# Altium PCB TimeDrive.PcbDoc (part 4 of 4)
Units mil, origin at the board's own origin, x right, y up, seen from the top; angles counter-clockwise.
Board outline 866.1 x 4330 mil, 10 copper layers (L01_SIG, L02_GND, L03_SIG, L04_GND, L05_PWR, L06_PWR, L07_GND, L08_SIG, L09_GND, L10_SIG), stack 29.74 mil thick; 308 components, 309 nets, 1055 pads, 605 vias.
Unrouted connection lines stored in the file: 13.
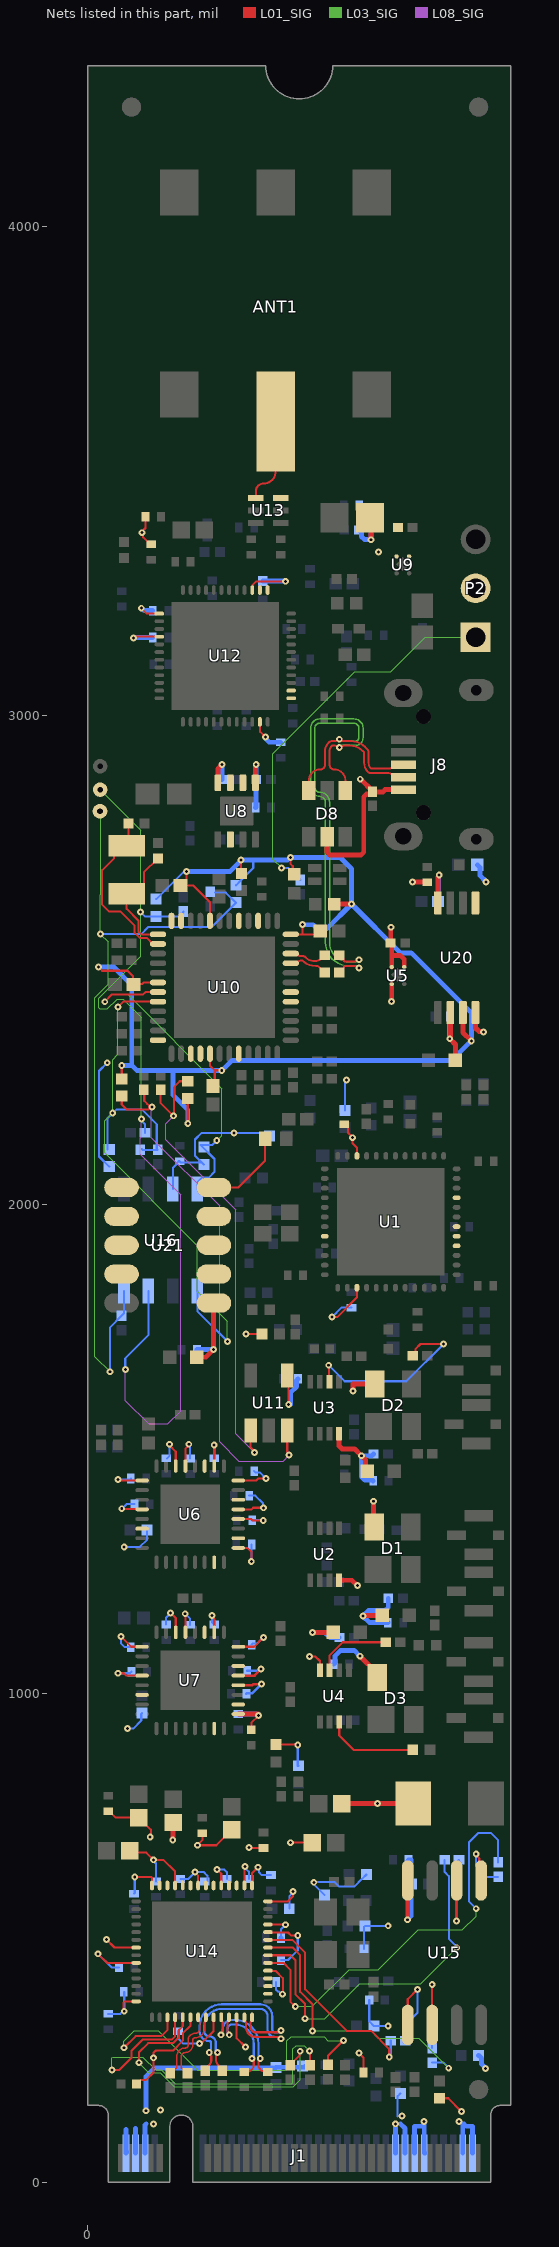
[diagram p12: the nets of this part, all layers, seen from the top]

## Via types
v1: diameter 14, hole 6, L01_SIG to L10_SIG, 458 vias
v2: diameter 19.68, hole 7.87, L01_SIG to L10_SIG, 103 vias
v3: diameter 23.62, hole 11.81, L01_SIG to L10_SIG, 25 vias
v4: diameter 14, hole 5.9, L01_SIG to L10_SIG, 19 vias

## Nets (pads, with @x,y where several pads share a name; then routed paths per layer and width w, separated by ;. In a path a pad name is that pad's centre, name@x,y a point inside that pad or via, vN(x,y) a via of type N, cw(c..) or ccw(c..) an arc to the next point about the centre after c; other vN are vias at no path point) (continued)
NetR110_1: R110.1 U14.34 | length 853.7
  L01_SIG w4.25: U14.34@369,449 401,449 415,435 415,370 v1(425,360)
  L03_SIG w2.2: v1(425,360) 460,360 535,435 595,435 676.58,516.58 766.58,516.58 795,545 v1(795,560)
  L10_SIG w4.25: v1(795,560) 780,575 780,695.35 799.65,715 825,715 840,700 R110.1@840,654.76
NetR110_2: R110.2 U15.5 | length 137.6
  L01_SIG w4.25: v1(795,672) 795,669.36 801.29,663.07 801.29,621.34 U15.5@805,617.64
  L10_SIG w4.25: v1(795,672) 795,646.93 816.69,625.24 R110.2@840,625.24
NetR111_1: R111.1 U14.35 | length 748.6
  L01_SIG w4.25: U14.35@369,464.75 415,464.75 424.75,455 425,455 425,385 445,365 v1(445,335)
  L03_SIG w2.2: v1(445,335) 485,335 556.58,406.58 681.58,406.58 v1(755,480)
  L10_SIG w4.25: R111.1@730.24,660 730.24,635.4 738.94,626.7 738.94,498.21 755,482.15 v1(755,480)
NetR111_2: R111.2 U15.6 | length 209.6
  L01_SIG w4.25: v1(755,535) U15.6@755,617.64
  L10_SIG w4.25: v1(755,535) 755,655.24 R111.2@759.76,660
NetR112_1: R112.1 U14.36 | length 587.3
  L01_SIG w4.25: U14.36@369,480.5 419.5,480.5 435,465 435,390 460,365 v1(460,310)
  L03_SIG w2.2: v1(460,310) 580,310 595,295 677.47,295 v1(738.76,233.71)
  L10_SIG w4.25: R112.1@705,245.24 728.36,245.24 738.76,234.84 v1(738.76,233.71)
NetR112_2: R112.2 U15.2 | length 212.9
  L01_SIG w4.25: U15.2@705,322.36 v1(705,405)
  L10_SIG w4.25: R112.2@705,274.76 v1(705,405)
NetR113_1: R113.1 U14.37 | length 436
  L01_SIG w4.25: U14.37@369,496.24 418.76,496.24 445,470 445,395 530,310 580,310 617.16,272.84 v1(617.16,256.38)
  L10_SIG w4.25: v1(617.16,256.38) 617.16,259.02 620.24,262.1 R113.1@620.24,290
NetR113_2: R113.2 U15.1 | length 196.4
  L01_SIG w4.25: U15.1@655,322.36 655,375 v1(675,395)
  L10_SIG w4.25: R113.2@649.76,290 649.76,321.76 675,347 v1(675,395)
NetR115_2: R115.2 U14.17 | length 762.7
  L01_SIG w4.25: v1(74.5,275.49) 98.42,299.41 150.97,299.41 163.29,311.74 U14.17@163.29,337.78 ; R115.2@491.82,240.76 491.82,258.95 v1(523.24,290.37)
  L03_SIG w2.2: v1(74.5,275.49) 73.93,276.07 73.93,288.82 95.1,310 145,310 225,230 405.85,230 407.7,231.85 407.7,289.55 416.57,298.42 483.72,298.42 491.78,290.37 v1(523.24,290.37)
NetR116_2: R116.2 U14.18 | length 763.8
  L01_SIG w4.25: v1(50,230) 65,230 90,255 90,269.71 112.45,292.16 171.91,292.16 179.04,299.29 U14.18@179.04,337.78 ; v1(454.26,269.15) 455,268.41 R116.2@455,239.76
  L03_SIG w2.2: v1(50,230) 50,254.73 51.85,256.58 113.42,256.58 139.37,230.63 151.25,230.63 179.58,202.3 418.04,202.3 420,204.26 420,273.16 426.84,280 443.41,280 v1(454.26,269.15)
NetR117_2: R117.2 U14.19 | length 610.7
  L01_SIG w4.25: v1(105,245) 105,265.79 124.12,284.91 174.91,284.91 187.43,297.43 187.43,312.51 194.79,319.86 U14.19@194.79,337.78 ; R117.2@415,239.76 415,240.75 433.13,258.88 433.13,266.56 v1(435,268.42)
  L03_SIG w2.2: v1(105,245) 125.52,224.48 148.71,224.48 177.03,196.15 420.58,196.15 435,210.57 v1(435,268.42)
NetR120_2: R120.2 U14.42 | length 103.2
  L01_SIG w4.25: U14.42@369,574.98 409.99,574.98 420,584.99 v1(420,595)
  L10_SIG w4.25: R120.2@412.72,560 412.72,585.08 420,592.36 v1(420,595)
NetR121_2: R121.2 U14.20 | length 209.8
  L01_SIG w4.25: R121.2@100.19,201.2 100.19,201.28 107.28,208.38 107.37,208.38 108.99,210 120,210 135,225 v1(135,255) 135,265 140,270 175,270 195,290 195,305 210.54,320.54 U14.20@210.54,337.78 U14.20@210,337.78
NetR135_1: R135.1 U20.4 | length 112.9
  L01_SIG w10: U20.4@716.61,2617.2 716.61,2670.29 719.25,2672.92 v1(719.25,2674)
  L10_SIG w10: R135.1@716.87,2620 718.48,2621.61 718.48,2673.24 v1(719.25,2674)
NetR139_2: R139.2 U21.6 | length 172.4
  L01_SIG w4.25: U21.6@258.49,2035.11 308.1,2035.11 363.35,2090.36 R139.2@363.35,2135
NetR141_2: R141.2 U4.7 | length 156.2
  L01_SIG w4.25: U4.7@495.16,1048.15 495.16,1078.16 522,1105 R141.2@610.24,1105
NetR142_1: R142.1 U4.3 | length 189.9
  L01_SIG w4.25: U4.3@514.84,941.85 514.84,914.16 544,885 R142.1@665,885
NetR143_2: R143.2 U3.2 | length 392.3
  L01_SIG w4.25: v1(493.3,1671.49) 494.07,1670.72 494.07,1638.92 U3.2@494.84,1638.15 ; R143.2@665.24,1690.83 670.55,1696.15 670.55,1704.55 681,1715 v1(728.38,1715)
  L10_SIG w4.25: v1(493.3,1671.49) 526.01,1638.78 652.15,1638.78 v1(728.38,1715)
NetU1_16: U1.16
NetU1_17: U1.17
NetU1_18: U1.18
NetU1_21: U1.21
NetU1_44: U1.44
NetU6_6: U6.6
NetU6_15: U6.15
NetU6_18: U6.18
NetU6_22: U6.22
NetU6_27: U6.27
NetU7_6: U7.6
NetU7_15: U7.15
NetU7_18: U7.18
NetU7_22: U7.22
NetU7_27: U7.27
NetU8_2: U8.2
NetU8_6: U8.6
NetU8_7: U8.7
NetU10_12: U10.12
NetU10_15: U10.15
NetU10_16: U10.16
NetU10_20: U10.20
NetU10_29: U10.29
NetU10_30: U10.30
NetU10_39: U10.39
NetU10_41: U10.41
NetU10_47: U10.47
NetU10_48: U10.48
NetU12_1: U12.1
NetU12_2: U12.2
NetU12_13: U12.13
NetU12_14: U12.14
NetU13_6: U13.6
NetU14_30: U14.30
NetU14_31: U14.31
NetU14_32: U14.32
NetU14_45: U14.45
NetU14_46: U14.46
NetU14_48: U14.48
NetU14_49: U14.49
NetU14_51: U14.51
NetU14_52: U14.52
NetU14_54: U14.54
NetU14_55: U14.55
NetU20_1: U20.1
NetU21_1: U21.1
NetU21_2: U21.2
NetU21_3: U21.3
NetU21_4: U21.4
NetU21_7: U21.7
NetU21_8: U21.8
NetU21_9: U21.9
P0V95_I225: C92.2 C94.2 C96.2 C98.2 C100.2 C102.2 C104.2 C106.2 C108.1 C110.1 C112.1 L1.2 U14.9 U14.26 U14.38 U14.44 U14.50 U14.56 | length 937.9
  L01_SIG w4.25: v1(21.27,467.67) 39.95,449 U14.9@99.32,449 ; C92.2@42.21,759.54 44.18,759.54 57.36,746.36 C108.1@105,746.36 129.58,721.8 129.58,707.71 v1(128.17,706.3) ; v1(96.63,624.85) 96.78,625 130,625 131.8,623.2 U14.56@131.8,607.46 ; v1(220,635) 220,633.92 226.28,627.64 U14.50@226.28,607.46 ; U14.26@305.02,337.78 305.01,294.99 v1(323,277) ; U14.44@320.77,607.46 321.31,608 321.31,646.04 v1(321.85,646.57) ; v1(330,685) 330.75,684.25 C100.2@360,684.25 ; U14.38@369,511.99 369.69,511.3 410,511.3 416.3,505 v1(430,505)
  L01_SIG w10: v1(174.35,700.56) 175,700.56 C110.1@175,736.36 ; C112.1@520,775 v1(593,775) L1.2@666,775
  L10_SIG w4.25: v1(21.27,467.67) 48.95,440 C106.2@64.25,440 ; C96.2@95,590.75 96.63,592.38 v1(96.63,624.85) ; C94.2@190,620.75 205.75,620.75 v1(220,635) 237.51,635 245,627.51 C98.2@245,615.75 ; v1(321.85,646.57) 321.85,643.96 330,635.81 C102.2@330,620.75 ; C104.2@395.75,455 410,455 430,475 v1(430,505)
P3V3: C4.1 C5.2 C21.1 C22.1 C23.1 C24.1 C27.2 C28.2 C29.2 C30.2 C31.2 C32.2 C33.2 C34.2 C35.2 C36.1 C37.1 C38.2 C39.2 C40.2 C41.2 C42.2 C43.2 C44.2 C45.2 C46.2 C64.1 C76.1 C77.1 C78.1 C81.1 C88.2 C90.2 C91.2 C93.2 C95.2 C97.2 C99.2 C101.2 C103.2 C105.2 C107.2 C109.1 C111.1 C113.1 C118.1 C119.1 C120.1 C122.1 C123.1 C124.1 C125.1 C126.1 C127.1 C129.1 C132.1 C133.1 C134.1 D1.4 D2.4 D3.4 FB1.2 FB2.2 J1.2 J1.4 J1.12 J1.14 J1.16 J1.18 J1.70 J1.72 J1.74 P2.2 R1.2 R5.2 R6.2 R11.2 R42.2 R48.1 R54.2 R56.1 R83.2 R86.2 R87.2 R93.2 R94.2 R104.2 R105.2 R122.2 R123.2 R124.2 R125.2 R126.2 R127.2 R128.2 R136.2 U1.3 U1.34 U2.8 U3.8 U4.8 U6.1 U6.4 U6.17 U6.20 U6.21 U6.24 U6.26 U6.29 U6.30 U7.1 U7.4 U7.17 U7.20 U7.21 U7.24 U7.26 U7.29 U7.30 U8.5 U8.8 U9.3 U9.4 U12.15 U12.25 U12.28 U12.47 U14.7 U14.14 U14.23 U14.33 U14.39 U14.43 U14.47 U14.53 U15.8 U16.3 U20.8 U21.10 | length 7144.2
  L01_SIG w4.25: v1(38.51,497.16) 55.17,480.5 U14.7@99.32,480.5 ; v1(62.07,1438.03) 62.07,1435.83 U6.1@111.57,1435.83 ; v1(62.2,1041.59) 74.4,1041.59 79.22,1036.77 U7.4@111.5,1036.77 ; v1(68.17,1117.03) 89.37,1095.83 U7.1@111.5,1095.83 ; v1(69.98,1378.18) 70.69,1377.46 110.88,1377.46 U6.4@111.57,1376.77 ; v1(75.07,350.19) 73.44,351.82 73.44,367.75 75.95,370.26 U14.14@99.32,370.26 ; C109.1@85.72,674.74 120.26,674.74 v1(135,660) 155,660 179.04,635.96 U14.53@179.04,607.46 ; v1(93.83,3159.02) 96.47,3159.02 99.17,3161.72 U12.28@146.9,3161.72 ; v1(110,3220) 121.04,3208.96 U12.25@146.9,3208.96 ; FB1.2@118.68,3406.79 118.68,3383.99 111.76,3377.06 v1(111.76,3374.43) 113.62,3372.56 113.62,3365.16 128.03,3350.75 FB2.2@130,3350.75 ; v1(167.88,1510) 167.88,1507.36 180.47,1494.76 U6.30@180.47,1465.35 ; v1(170,1165) 180.39,1154.61 U7.30@180.39,1125.35 ; v1(199.77,1163.27) 200.08,1163.27 U7.29@200.08,1125.35 ; U6.29@200.16,1465.35 200.16,1500.39 207.12,1507.36 v1(207.12,1510) ; v1(228.9,283.94) 231.54,283.94 235.23,287.63 235.63,287.63 257.78,309.78 U14.23@257.78,337.78 ; C107.2@235,714.25 235,700.14 v1(224.66,689.8) 263.42,689.8 C113.1@295,721.36 ; v1(254.43,1159.43) 254.43,1156.79 259.13,1152.09 U7.26@259.13,1125.35 ; v1(259.11,1508.45) 259.21,1508.45 U6.26@259.21,1465.35 ; v1(265,640) 273.53,631.47 U14.47@273.53,607.46 ; U7.24@308.35,1095.83 340.83,1095.83 v1(360,1115) ; U6.17@308.43,1298.03 326.97,1298.03 335,1290 v1(335,1270) ; U6.20@308.43,1357.09 334.37,1357.09 337.41,1354.04 v1(359.44,1354.04) ; U6.21@308.43,1376.77 335.77,1376.77 339,1380 v1(360,1380) ; U6.24@308.43,1435.83 344.83,1435.83 349,1440 v1(365,1440) ; v1(324.09,1735.49) 356.71,1735.49 R11.2@357.2,1735 ; R1.2@335,925.75 335,940 v1(350,955) ; U14.43@336.52,607.46 336.52,632.52 v1(348.76,644.77) ; U12.15@336.86,3257.19 337.55,3257.88 337.55,3267.67 344.88,3275 v1(405,3275) ; U12.47@352.6,2987.5 352.93,2987.18 352.93,2967.28 363.8,2956.41 v1(363.8,2956.23) ; U14.33@369,433.25 369.69,432.56 384.73,432.56 399.46,417.83 399.46,390.44 v1@399.1,390.07 ; U14.39@369,527.74 369.27,527.47 404.87,527.47 v1(405.14,527.2) ; R83.2@385.16,895.6 430,895.6 v1(430,895) ; v1(414.88,695) C111.1@460,695 ; v1(453.92,1075.85) 466.15,1075.85 475.47,1066.53 U4.8@475.47,1048.15 ; v1(500,1770) 510.39,1770.02 551.1,1810.73 U1.3@551.1,1829.17 ; C4.1@525,2164.25 526.97,2164.25 532.72,2158.5 532.72,2146.72 541.9,2137.54 v1(541.9,2136.98) 541.9,2125.43 551.1,2116.22 U1.34@551.1,2099.84 U1.34@551.1,2098.86 ; v1(555,265) 564.57,255.43 C97.2@564.57,225 ; v1(557.17,1076.44) v1@557.34,1076.44 ; D3.4@592.6,1033.31 D3.4@592.6,1041.18 ; R125.2@720,172.2 737.8,172.2 v1(765,145)
  L01_SIG w5: U7.20@308.35,1017.09 337.09,1017.09 339.5,1019.5 v1(356.03,1019.5) ; U7.21@308.35,1036.77 341.77,1036.77 v1(355,1050)
  L01_SIG w10: C122.1@223.12,1688 242,1688 v1(258,1704) 258,1798.4 U21.10@258.49,1798.89 ; U8.8@266.61,2863.07 266.61,2891.61 v1(275,2900) ; U7.17@308.35,958.03 350,958.03 v1(350,955) ; U8.5@343.39,2863.07 343.39,2897.3 345,2898.92 v1(345,2900) ; v1(460,1125) C125.1@502.44,1125 ; U2.8@514.53,1231.85 540.59,1231.85 551.42,1221.02 v1(552.51,1221.02) ; U3.8@514.53,1531.85 514.53,1506.33 520.39,1500.47 545.98,1500.47 v1(560.04,1486.42) 568.53,1477.92 568.53,1458.91 C36.1@572.44,1455 ; v1(542.69,1619.02) 542.69,1633.31 D2.4@587.6,1633.31 ; v1@557.34,1076.44 D3.4@592.6,1041.18 ; v1(563.46,1158.46) 563.46,1160 C22.1@602.44,1160 ; C64.1@577.9,3405 580,3402.9 v1(580,3360) ; v1(585.2,1393.41) 585.2,1340.52 D1.4@586.41,1340.52 ; v1(654.71,537.36) 655,537.36 U15.8@655,617.64 ; v1(665,2660) 665.37,2659.63 694.63,2659.63 C120.1@695,2659.25 ; U20.8@793.39,2392.8 793.6,2392.58 793.6,2361.45 800.94,2354.12 809.34,2354.12 v1(810.11,2353.35)
  L10_SIG w4.25: v4(40.35,2290.34) 23.41,2273.4 23.41,2098.62 R54.2@44.44,2077.68 R54.2@44.44,2077.68 ; C95.2@42.34,344.87 67.11,344.87 72.43,350.19 v1(75.07,350.19) 75.07,389.18 C99.2@74.25,390 ; v1(62.07,1438.03) 88.5,1438.03 C31.2@88.5,1440 ; v1(62.2,1041.59) 86.59,1041.59 C38.2@90,1045 ; v1(68.17,1117.03) 68.17,1102.76 75.92,1095 C39.2@88.5,1095 ; v1(69.98,1378.18) 70.61,1378.18 79.75,1387.32 C30.2@96.04,1387.32 ; v1(75,1300) 107.09,1300 122.04,1314.95 R48.1@122.04,1334.34 ; v1(81.92,928.25) 93.25,928.25 109.85,944.85 109.85,958.26 R56.1@111.5,959.92 ; v1(135,660) 135,657.36 140,652.36 C101.2@140,615.75 ; C40.2@160.71,1141.1 160.71,1155.71 v1(170,1165) ; C27.2@162.76,1481.1 167.88,1486.22 v1(167.88,1510) ; U16.3@174.56,2031.98 174.56,2075.06 180.66,2081.16 180.66,2083.13 186.41,2088.88 C127.1@188.37,2088.88 191.05,2086.21 R87.2@231.14,2086.21 ; C93.2@185,309.25 185,295 196.06,283.94 v1(228.9,283.94) ; v1(199.77,1163.27) 210,1153.04 C41.2@210,1140.75 ; v1(207.12,1510) 207.12,1507.36 210,1504.49 C28.2@210,1480.75 ; R87.2@237.84,2082.27 219.7,2100.41 219.7,2133.23 233.38,2146.92 v4(299.33,2146.92) 365.28,2146.92 R5.2@372.2,2140 ; v1(254.43,1159.43) 254.43,1145.8 C42.2@259.13,1141.1 ; v1(259.11,1508.45) 259.21,1508.45 C29.2@259.21,1481.1 ; v1(265,640) 280,640 285,635 C103.2@285,620.75 ; C33.2@330.75,1405 343.03,1405 358.81,1389.22 358.81,1381.19 v1(360,1380) ; v1(335,1270) 335,1305 C35.2@335.75,1305 ; C43.2@335.75,1100 338.26,1102.51 347.51,1102.51 v1(360,1115) ; C34.2@336.84,1354.61 359.44,1354.61 v1(359.44,1354.04) ; C32.2@340.75,1455 343.34,1452.41 352.59,1452.41 v1(365,1440) ; v1(348.76,644.77) 350.63,642.9 350.63,634.77 356.67,628.74 C105.2@375.36,628.74 ; C90.2@385.75,410 385.75,394.25 389.06,390.94 390.58,390.94 396.46,385.07 v1(399.1,385.07) ; C91.2@395.75,500 395.75,517.68 405.14,527.07 v1(405.14,527.2) ; v1(430,895) 430,852.33 R86.2@431.38,852.33 ; R127.2@485,587.8 484.92,587.8 464.68,608.04 464.68,612.06 v1(462.81,613.92) 463.89,615 505,615 515,605 545.6,605 561.46,620.86 561.54,620.86 570.6,629.92 R126.2@570.6,630 ; v1(500,1770) 519.25,1789.25 C5.2@540,1789.25 ; R6.2@526.55,2193.05 526.55,2248.91 530,2252.36 v1(530,2255) ; R93.2@565.5,477.79 565.5,522.7 R122.2@567.8,525 v1(615,525) ; R94.2@576.24,373.31 576.24,329.45 585.6,320.08 R124.2@585.6,320 v1(615,320) ; 634.17,134.64 634.17,176.36 R123.2@639.68,181.88
  L10_SIG w5: C45.2@325,1000 325.91,1000.91 337.44,1000.91 v1(356.03,1019.5) ; C44.2@326.5,1046.98 355,1046.98 v1(355,1050)
  L10_SIG w10: 78.49,108.33 78.54,108.28 J1.74@78.54,60.04 J1.74@80.43,61.93 ; v1(93.83,3159.02) 94.91,3159.02 95.89,3160 C76.1@133.5,3160 ; J1.72@98.22,60.04 98.22,110 ; v1(110,3220) 111.08,3220 116.08,3215 C78.1@133.5,3215 ; J1.70@117.91,60.04 117.91,117.91 120,120 ; v1(119.83,146.67) 119.83,217.27 136.56,234 383.4,234 R128.2@385,235.6 445,235.6 R42.2@445,237.8 ; C123.1@223.75,1703 224.25,1703.5 257.5,1703.5 v1(258,1704) ; v1(275,2900) v1(275,2900) 275.05,2870.05 C119.1@275.1,2870 ; C46.2@308.35,958.03 345.89,958.03 348.92,955 v1(350,955) ; C129.1@343.88,2812.28 344.49,2812.89 344.49,2869.39 C118.1@345.1,2870 345.05,2870.05 v1(345,2900) v1(345,2900) ; C81.1@358.46,3275.56 358.74,3275.28 404.72,3275.28 v1(405,3275) ; v1(363.8,2956.23) 364.57,2955.46 364.57,2952.69 371.51,2945.75 C77.1@395,2945.75 ; C91.2@395.75,500 C91.2@395.94,500.19 ; v1(460,1125) 485.42,1125 495.42,1115 C126.1@514.25,1115 ; C124.1@503.5,1060 505.78,1062.28 505.78,1076.65 517.56,1088.43 545.19,1088.43 v1(557.17,1076.44) ; C132.1@554.9,3380 555.75,3380 560.05,3375.7 560.05,3366.62 565.91,3360.77 579.23,3360.77 v1(580,3360) 580,3422.17 574.14,3428.03 C134.1@555.75,3428.03 ; C24.1@584.25,1435 582.55,1436.7 567.24,1436.7 560.04,1443.9 v1(560.04,1486.42) 581.51,1486.42 C37.1@585.1,1490 ; C21.1@614.25,1145 576.93,1145 v1(563.46,1158.46) 575,1170 609.24,1170 615.1,1175.86 C23.1@615.1,1195 ; J1.18@630,60.04 J1.18@629.7,60.04 629.85,60.19 629.85,119.85 v1(630,120) ; 640,120 649.39,110.61 J1.16@649.39,60.04 ; v1(654.71,537.36) 654.71,537.72 662.2,545.22 R104.2@662.2,610 662.2,660 C88.2@656.5,660 ; J1.14@669.07,60.04 669.07,115 685,115 ; v1(688.1,124.87) 688.76,124.87 J1.12@688.76,60.04 J1.12@690,60.04 ; J1.4@767.5,60.04 767.5,120 770,120 ; 775,115 787.18,115 J1.2@787.18,60.04 ; R136.2@797.4,2695 802.64,2689.76 802.64,2673.44 815,2661.08 v1(815,2660) ; R105.2@800,260 806.18,253.82 806.18,241.86 813.85,234.19 v1(813.85,233.11)
  other v1: 134.85,119.85 760,125 643.18,135.96 149.59,148.35 595,3335
P3V3_MCU: C48.1 C49.1 C50.1 C51.1 C54.2 R50.2 R52.2 R62.1 R70.2 R72.2 R84.2 R85.2 U10.6 U10.17 U10.36 U10.44 U11.4 U20.7 | length 3042.9
  L01_SIG w4.25: v1(22.2,2486.28) 30.09,2478.39 81.65,2478.39 92.92,2467.12 92.92,2450.92 C48.1@93.84,2450 ; R85.2@70,2257.49 v1(70,2285) ; C48.1@95.49,2451.34 111.81,2451.34 115,2454.53 U10.6@144.17,2454.53 ; C49.1@190.43,2652.78 190.65,2653 C49.1@191.49,2653 ; v1(202.44,2681.67) 202.44,2664.8 202.39,2664.74 202.39,2663.9 C49.1@191.49,2653 ; R84.2@205,2216.88 205.06,2216.82 v1(205.06,2166.19) ; C51.1@249.52,2243.88 260.16,2254.51 260.16,2272.43 ; U10.17@250.47,2308.86 250.47,2284.29 260.16,2274.61 ; U10.44@250.47,2580.51 250.47,2618.27 215.75,2653 C49.1@191.49,2653 ; 259.06,2273.52 260.16,2274.61 ; v1(274.53,2274.68) 274.3,2274.91 260.46,2274.91 260.16,2274.61 ; v1(313.88,2704.88) 313.88,2678.93 R62.1@315,2677.8 ; U11.4@408.53,1650.56 411.43,1647.67 v1(411.43,1591.43) ; v1(415,2710) 415,2697.29 419.7,2692.59 419.7,2678.7 R70.2@422.5,2675.91 ; U10.36@415.83,2552.95 439.64,2552.95 ; v1(439.71,2572.73) 439.71,2553.02 439.64,2552.95 ; C50.1@476.16,2560 469.11,2552.95 439.64,2552.95
  L01_SIG w10: R72.2@504.69,2614.68 540,2614.68 v1(540,2615) ; U20.7@767.8,2392.8 767.8,2352.2 v1(785,2335)
  L10_SIG w4.25: R52.2@140.47,2624.84 140.56,2624.84 195.52,2679.8 200.58,2679.8 v1(202.44,2681.67) ; R50.2@303.73,2653.29 303.82,2653.29 312.88,2662.35 312.88,2662.44 339,2688.56 339,2704.88 ; v1@313.88,2703.8 v1(313.88,2704.88)
  L10_SIG w10: v1(22.2,2486.28) 53.09,2486.28 90.47,2448.9 90.47,2285 ; v1(70,2285) 90.47,2285 ; v1(202.44,2681.67) 291.74,2681.67 298.97,2688.89 v1@313.88,2703.8 ; v1(205.06,2166.19) 205.06,2193.78 175,2223.85 175,2274.61 ; v1(313.88,2704.88) 339,2704.88 408.8,2704.88 413.92,2710 v1(415,2710) 516.81,2710 540,2686.81 v1(540,2615) ; v1(411.43,1591.43) 415,1591.43 415,1615 427.69,1627.69 427.69,1640.95 C54.2@430.53,1643.79 ; v1(439.71,2572.73) 439.89,2572.55 461.71,2572.55 469.26,2565 490,2565 v1(540,2615) ; 90.47,2285 100.86,2274.61 175,2274.61 ; 175,2274.61 274.46,2274.61 v1(274.53,2274.68) 275.62,2274.68 295.93,2295 745,2295 v1(785,2335) 785,2392.17 662.17,2515 640,2515 v1(540,2615)
P3V3_USB: C117.1 C121.1 U5.1 U20.6 | length 186.8
  L01_SIG w10: v1(621.94,2415.43) v1@622.2,2415.68 ; v1@622.13,2413.97 622.2,2414.04 v1@622.2,2415.68 ; U5.1@622.2,2451.5 v1@622.2,2415.68 ; U20.6@742.2,2392.8 742.2,2341.89 740.83,2340.51 v1(740.83,2339.43) 752.56,2327.7 C117.1@752.56,2295
  L10_SIG w10: C121.1@740.75,2385 740.75,2339.43 v1(740.83,2339.43)
P5V_USB: C53.1 C116.1 D8.5 J8.1 U5.3 U5.4 | length 472.9
  L01_SIG w10: D8.5@490,2752.76 490,2720.86 495.86,2715 559.14,2715 565,2720.86 565,2834.14 570.86,2840 580.7,2840 585,2844.3 585,2844.43 604.43,2844.43 608.82,2848.82 J8.1@645.83,2848.82 ; v1(557.8,2870.29) 558.54,2870.29 582.8,2846.04 C53.1@582.8,2844.72 ; v1(620.36,2567.43) 620.23,2567.3 620.23,2535.13 C116.1@620.1,2535 622.2,2532.89 622.2,2512.78 ; U5.4@622.2,2485.94 622.2,2509.42 ; 622.45,2513.02 622.2,2512.78 ; U5.3@647.8,2489.06 647.8,2502.2 640.58,2509.42 622.2,2509.42 ; 622.2,2509.42 622.2,2512.78
PCIE_CLK_R_N: R100.2 U14.22 | length 148.8
  L01_SIG w3.25: R100.2@204.51,223.71 ccw(c202.28,223.71) 203.86,225.28 197.27,231.88 ccw(c194.92,229.53) 194.92,232.85 cw(c194.88,236.1) 192.59,233.81 cw(c194.88,236.1) 191.63,236.1 191.63,257.38 cw(c200,257.38) 200,265.75 ccw(c200,280.75) 215,280.75 215,290.75 cw(c220,290.75) 220,295.75 ccw(c220,314.53) 238.78,314.53 238.78,327.66 242.03,330.91 U14.22@242.03,337.78
PCIE_CLK_R_P: R99.2 U14.21 | length 148.8
  L01_SIG w3.25: R99.2@169.51,223.71 cw(c171.74,223.71) 170.16,225.28 176.75,231.88 cw(c179.1,229.53) R99.2@179.1,232.85 ; R99.2@179.13,232.85 ccw(c179.13,236.1) 181.43,233.81 ccw(c179.13,236.1) 182.38,236.1 182.38,257.38 cw(c200,257.38) 200,275 ccw(c200,280.75) 205.75,280.75 205.75,290.75 cw(c220,290.75) 220,305 ccw(c220,314.53) 229.53,314.53 229.53,327.66 226.28,330.91 U14.21@226.28,337.78
PCIE_RX_R_N: R98.2 U14.27 | length 439.2
  L01_SIG w4.5: v1(266,266) ccw(c274.02,257.98) 262.68,257.98 262.68,252 ccw(c281.7,252) 268.25,238.55 R98.2@275.43,231.37 ; U14.27@320.77,337.78 320.77,330.96 323.9,327.84 323.9,318 ccw(c344.15,318) 344.15,297.75 389.68,297.75 393.43,294 v1(396,294)
  L10_SIG w4.5: v1(266,266) cw(c266,269.75) 262.25,269.75 262.25,286.25 ccw(c250,286.25) 250,298.5 cw(c250,309.72) 238.78,309.72 238.78,319.22 cw(c274.57,319.22) 274.57,355 353.11,355 cw(c353.11,339.75) 368.36,339.75 368.36,312.39 ccw(c383,312.39) 383,297.75 392.25,297.75 cw(c392.25,294) v1(396,294)
PCIE_RX_R_P: R97.2 U14.28 | length 439.5
  L01_SIG w4.5: R97.2@240.43,231.37 247.61,238.55 ccw(c234.15,252) 253.18,252 253.18,255.91 ccw(c238.91,255.91) v1(249,266) ; U14.28@336.52,337.78 336.52,330.96 333.4,327.84 333.4,318 ccw(c344.15,318) 344.15,307.25 389.68,307.25 393.43,311 v1(396,311)
  L10_SIG w4.5: v1(249,266) ccw(c249,269.75) 252.75,269.75 252.75,286.25 ccw(c250,286.25) 250,289 cw(c250,309.72) 229.28,309.72 229.28,319.22 cw(c274.57,319.22) 274.57,364.5 353.11,364.5 cw(c353.11,339.75) 377.86,339.75 377.86,312.39 ccw(c383,312.39) 383,307.25 392.25,307.25 ccw(c392.25,311) v1(396,311)
PCIE_TX_C_N: C85.1 U14.24 | length 238.2
  L01_SIG w4.5: v1(272.9,302) ccw(c263.85,311.05) 276.65,311.05 276.65,327.84 273.53,330.96 U14.24@273.53,337.78 ; v1(353.23,253.43) ccw(c353.23,249.68) 349.48,249.68 349.48,241 ccw(c364.37,241) 364.37,226.1 C85.1@368.69,226.1
  L10_SIG w4.5: v1(272.9,302) ccw(c272.9,305.75) 276.65,305.75 276.65,313.81 cw(c295.34,313.81) 295.34,332.5 301,332.5 cw(c301,284) 349.5,284 349.5,257.15 ccw(c353.23,257.15) v1(353.23,253.43)
PCIE_TX_C_P: C84.1 U14.25 | length 208.4
  L01_SIG w4.5: U14.25@289.28,337.78 289.28,330.96 286.15,327.84 286.15,311.05 ccw(c298.95,311.05) v1(289.9,302) ; C84.1@320.76,226.1 325.08,226.1 ccw(c325.08,241) 339.98,241 339.98,249.68 ccw(c336.23,249.68) v1(336.23,253.43)
  L10_SIG w4.5: v1(289.9,302) cw(c289.9,305.75) 286.15,305.75 286.15,313.81 cw(c295.34,313.81) 295.34,323 301,323 cw(c301,284) 340,284 340,257.2 cw(c336.23,257.2) v1(336.23,253.43)
SAMD_RESET: P2.1 R44.2 | length 803.7
  L03_SIG w2.2: v4(396.8,2688.64) 378.87,2706.58 378.87,2922.65 546.23,3090.01 620,3090.01 690.68,3160.69 P2.1@793.86,3160.69
  L10_SIG w4.25: v4(396.8,2688.64) 410.74,2688.64 R44.2@435.3,2664.08
SAMD_SCK: R54.1 R88.2 R96.2 U10.8 U16.5 | length 1285
  L01_SIG w4.25: v1(62.07,2404.53) 62.73,2404.53 73.36,2415.16 U10.8@144.17,2415.16
  L03_SIG w2.2: v1(62.07,2404.53) 62.07,2307.48 51.45,2296.87 v4(51.45,2187.59) 35,2171.14 35,2105.9 224.56,1916.34 224.56,1823.32 286.28,1761.61 v4(286.28,1720.45)
  L10_SIG w4.25: R54.1@40.86,2113.02 40.86,2177 v4(51.45,2187.59) 52.06,2187.59 58.82,2194.35 111.53,2194.35 141.54,2164.34 141.54,2113.9 R88.2@143.48,2111.96 112.39,2111.96 R96.2@110.88,2113.46 ; U16.5@224.56,1823.32 224.56,1782.16 v4(286.28,1720.45)
SAMD_SCK1: R68.1 R84.1 U11.1 | length 976.4
  L01_SIG w4.25: R68.1@150,2234.92 149.62,2234.54 149.62,2207.66 175.48,2181.8 v1(176.02,2181.8) ; v1@176.16,2181.94 176.55,2182.33 176.55,2240.52 188.51,2252.49 R84.1@205,2252.49 ; U11.1@333.73,1538.36 333.73,1503.56 341.82,1495.47 v1(341.82,1492.83)
  L08_SIG w2.2: v1(176.02,2181.8) 160,2165.78 160,2133 302.91,1990.09 302.91,1531.74 v1@341.79,1492.86
SAMD_SDA: R87.1 U10.7 U16.4 | length 714.3
  L01_SIG w4.25: v1(35.3,2415.02) 35.3,2415.3 50,2430 113.65,2430 118.49,2434.84 U10.7@144.17,2434.84
  L03_SIG w2.2: v1(35.3,2415.02) 50.28,2430 82.06,2430 274.72,2237.34 274.72,2141.43 v4(264.31,2131.03)
  L10_SIG w4.25: U16.4@224.56,2031.98 224.56,2045.76 234.25,2055.45 247.94,2055.45 259.75,2067.26 259.75,2093.37 231.31,2121.81 254.61,2121.81 263.83,2131.03 v4(264.31,2131.03)
SAMD_SDA1: R67.1 R85.1 U11.3 | length 1083.9
  L01_SIG w4.25: R85.1@70,2221.88 70,2205 80.65,2194.35 123.78,2194.35 v1@128.89,2199.45 ; R67.1@115,2234.92 115.98,2233.95 115.98,2212.36 122.2,2206.14 v1@128.89,2199.45 ; v1(131.53,2199.45) v1@128.89,2199.45 ; U11.3@408.53,1538.36 408.53,1494.4 412.23,1490.7 v1(412.23,1488.07)
  L08_SIG w2.2: v1(131.53,2199.45) 130.77,2198.7 130.77,2137.23 270,1998 270,1515.36 309.69,1475.68 399.84,1475.68 v1(412.23,1488.07)
SAMD_SWCLK: pad.2 R45.1 R50.1 R102.2 U16.8 | length 1702.8
  L03_SIG w2.2: pad.2@25.8,2797.82 26.52,2634.08 v4(26.52,2553.44) 42.14,2537.82 42.14,2450.84 15,2423.7 15,1689.34 v4(46.15,1658.18)
  L10_SIG w4.25: v4(26.52,2553.44) 109.72,2553.44 124.24,2567.96 253.92,2567.96 R50.1@303.65,2617.69 ; v4(46.15,1658.18) 46.15,1749.17 R102.2@69.51,1772.53 74.56,1777.58 U16.8@74.56,1823.32 ; R45.1@260.38,2638.25 283.09,2638.25 R50.1@303.65,2617.69 ; R50.1@303.73,2617.69 R50.1@303.65,2617.69
SAMD_SWDIO: pad.3 R46.1 R52.1 R101.2 U16.7 | length 1983
  L03_SIG w2.2: pad.3@25.8,2848.89 108.65,2766.04 v4(108.65,2598.37) 108.65,2508.32 22.75,2422.42 22.75,2402.83 25.24,2400.33 40.69,2400.33 60.55,2420.19 73.35,2420.19 110.04,2383.5 v4(110.04,2174.97)
  L08_SIG w2.2: v4(77.38,1662.79) 77.38,1599.32 125,1551.7 164.05,1551.7 190.24,1577.88 190.24,2020.74 107.64,2103.34 107.64,2136.36 110.04,2138.76 v4(110.04,2174.97)
  L10_SIG w4.25: v4(77.38,1662.79) 77.07,1663.09 77.07,1685.73 124.56,1733.22 U16.7@124.56,1823.32 ; v4(108.65,2598.37) 117.78,2589.24 R52.1@140.47,2589.24 186.57,2589.24 196.09,2598.75 R46.1@196.09,2599.74 ; v4(110.04,2174.97) 110.04,2172.33 117.5,2164.88 R101.2@117.5,2147
SAMD_USB_D_N: D8.1 J8.2 R81.1 | length 1110.2
  L01_SIG w4: 500,2938.87 ccw(c512.07,2926.8) 495,2926.8 495,2900 ccw(c505,2900) 505,2890 cw(c505,2867.6) 527.4,2867.6 D8.1@527.4,2847.24 ; 500,2938.88 505.64,2938.88 cw(c505.64,2932.18) 510.38,2936.91 ccw(c515,2941.53) v1(515,2935) ccw(c515,2941.53) v1@519.62,2936.91 ; R81.1@514.76,2475 ccw(c514.76,2477.38) 516.44,2475.7 522.64,2481.89 ccw(c520.34,2484.19) 523.59,2484.19 cw(c526.84,2484.19) 524.54,2486.48 cw(c527.9,2483.12) 527.9,2487.88 545.68,2487.88 cw(c545.68,2481.26) v1@550.36,2485.94 ; v1@519.64,2936.94 cw(c524.32,2932.26) 524.32,2938.88 536.73,2938.88 cw(c536.73,2902.31) 562.58,2928.17 565.75,2925 565.75,2903.85 ccw(c591.94,2903.85) 573.42,2885.33 573.5,2885.25 ccw(c579.95,2891.7) 579.95,2882.58 615.15,2882.58 cw(c615.15,2868.63) 625.01,2878.49 ccw(c634.87,2888.36) 634.87,2874.41 J8.2@645.83,2874.41 ; v1@550.38,2485.91 ccw(c555,2490.53) v1(555,2484)
  L03_SIG w2.7: v1(515,2935) cw(c519.25,2935) 519.25,2939.25 547.75,2939.25 ccw(c547.75,2955) 563.5,2955 563.5,2975 ccw(c545,2975) 545,2993.5 475,2993.5 ccw(c475,2975) 456.5,2975 456.5,2853.5 ccw(c475,2853.5) 475,2835 cw(c475,2823.5) 486.5,2823.5 486.5,2536.75 ccw(c535,2536.75) 535,2488.25 550.75,2488.25 cw(c550.75,2484) v1(555,2484)
SAMD_USB_D_P: D8.3 J8.3 R82.1 | length 1072.2
  L01_SIG w4: D8.3@452.6,2847.24 452.6,2867.6 cw(c475,2867.6) 475,2890 475.75,2890 ccw(c475.75,2900) 485.75,2900 485.75,2926.84 cw(c511.98,2926.84) 493.43,2945.39 493.5,2945.46 cw(c499.94,2939.03) 499.94,2948.12 505.64,2948.12 ccw(c505.64,2954.82) 510.38,2950.09 cw(c515,2945.47) v1(515,2952) cw(c515,2945.47) v1@519.62,2950.09 ; R82.1@514.76,2510 cw(c514.76,2507.62) 516.44,2509.3 522.64,2503.11 cw(c520.34,2500.81) 523.59,2500.81 ccw(c526.84,2500.81) 524.54,2498.52 ccw(c527.9,2501.88) 527.9,2497.12 545.68,2497.12 ccw(c545.68,2503.74) v1@550.36,2499.06 ; v1@519.64,2950.06 ccw(c524.32,2954.74) 524.32,2948.12 538.64,2948.12 cw(c538.64,2906.93) 567.77,2936.06 572.33,2931.5 cw(c565.89,2925.06) 575,2925.06 575,2903.9 ccw(c592.07,2903.9) 580,2891.83 615.15,2891.83 ccw(c615.15,2905.78) 625.01,2895.91 cw(c634.87,2886.05) 634.87,2900 J8.3@645.83,2900 ; v1@550.38,2499.09 cw(c555,2494.47) v1(555,2501)
  L03_SIG w2.7: v1(515,2952) ccw(c519.25,2952) 519.25,2947.75 547.75,2947.75 ccw(c547.75,2955) 555,2955 555,2975 ccw(c545,2975) 545,2985 475,2985 ccw(c475,2975) 465,2975 465,2853.5 ccw(c475,2853.5) 475,2843.5 cw(c475,2823.5) 495,2823.5 495,2536.75 ccw(c535,2536.75) 535,2496.75 550.75,2496.75 ccw(c550.75,2501) v1(555,2501)
USB_R_N: R81.2 U10.33 | length 78.6
  L01_SIG w4: U10.33@415.83,2493.9 424,2493.9 ccw(c424,2502.8) 430.29,2496.51 cw(c436.59,2490.21) 436.59,2499.12 440,2499.12 440.35,2498.76 ccw(c464.59,2523.01) 464.59,2488.72 cw(c464.59,2472.02) 464.68,2488.72 cw(c464.59,2472.02) 476.41,2483.83 R81.2@485.24,2475
USB_R_P: R82.2 U10.34 | length 77.7
  L01_SIG w4: U10.34@415.83,2513.58 424,2513.58 cw(c424,2504.68) 430.29,2510.97 ccw(c436.59,2517.27) 436.59,2508.37 440.06,2508.37 cw(c440.06,2499.26) 446.5,2505.7 446.83,2505.37 ccw(c464.68,2523.21) 464.68,2497.97 ccw(c464.68,2518.56) 479.24,2504 R82.2@485.24,2510
UWB_ANT: ANT1.1 U13.1 | length 179.5
  L01_SIG w4.25: U13.1@344.41,3445.59 344.41,3459.41 cw(c360,3459.41) 360,3475 ccw(c360,3499.8) 384.8,3499.8 ANT1.1@384.8,3602.05
XIN32: C114.1 U10.1 Y3.2 | length 237.2
  L01_SIG w4.25: C114.1@143.64,2707.93 115.28,2679.57 115.28,2655.32 95.75,2635.79 Y3.2@80,2635.79 80,2605.04 104.33,2580.71 104.33,2558.6 109.98,2552.95 U10.1@144.17,2552.95
XOUT32: C115.1 U10.2 Y3.1 | length 350.4
  L01_SIG w4.25: C115.1@83.86,2780 83.86,2734.21 73.99,2734.21 54.46,2714.68 54.46,2708.67 30,2684.21 30,2613.7 43.7,2600 67.31,2600 96.45,2570.86 96.45,2556.24 106.98,2545.7 120.91,2545.7 133.35,2533.27 U10.2@144.17,2533.27
pads on no net: D7.2 D7.4 J8.MH1 J8.MH2

## Polygon pours and split planes (outlines as drawn)
DW1000_VDDPA1 on L10_SIG "NONET_L-01_P-001" (solid, remove dead copper, pour order 83): 315.82,3396.53 315.82,3365 282.15,3365 282.15,3325 265,3325 265,3355 235,3355 235,3370 265,3370 265,3390 289.82,3390 289.82,3396.89
GND on L10_SIG "NONET_L-01_P-001" (solid, remove dead copper, pour order 66): 176.84,2548.04 177.21,2548.41 382.96,2548.41 382.96,2341.8 383.41,2341.35 383.14,2341.08 176.23,2341.08 176.23,2547.87 176.57,2548.21
P3V3 on L10_SIG "NONET_L-01_P-001" (solid, remove dead copper, pour order 6): 700,140 700,105 670.96,105 670.96,140 670,140
P3V3 on L10_SIG "NONET_L-01_P-001" (solid, remove dead copper, pour order 5): 620,145 620,105 655,105 655,145
P3V3 on L10_SIG "NONET_L-01_P-001" (solid, remove dead copper, pour order 3): 750,155 750,105 795,105 795,155
P3V3 on L10_SIG "NONET_L-01_P-001" (solid, remove dead copper, pour order 0): 160,160 160,105 65,105 65,160
GND on L01_SIG "NONET_L-01_P-001" (solid, remove dead copper, pour order 49): 270.55,2835 420,2835 420,2750 368.37,2750 367.01,2751.36 365,2749.35 365,2715 335,2715 335,2775 270.55,2775
DPLL_VDD on L01_SIG "NONET_L-01_P-001" (solid, remove dead copper, pour order 48): 275,2765 275,2705 195,2705 195,2765
DW1000_P1V8 on L01_SIG "NONET_L-01_P-001" (solid, remove dead copper, pour order 75): 631.42,3301.73 675,3258.15 675,3255 710,3255 710,3210 640,3210 627.09,3222.91 627.09,3301.73
GND on L01_SIG "NONET_L-01_P-001" (solid, remove dead copper, pour order 72): 652.68,3286.38 630,3309.06 630,3310 630.84,3310 644.88,3324.04 659.08,3309.83 695.89,3309.83 696.18,3309.54 696.18,3286.07 653.28,3286.07 652.85,3286.5
P3V3 on L01_SIG "NONET_L-01_P-001" (solid, remove dead copper, pour order 70): 627.09,3318.27 631.42,3318.27 637.32,3324.17 637.32,3333.62 652.68,3333.62 652.68,3324.17 658.58,3318.27 679.27,3318.27 680.45,3319.44 680.45,3357.09 657.91,3357.09 644.96,3370.04 644.96,3435 565,3435 565.24,3434.76 565.24,3317.88 626.7,3317.88
GND on L01_SIG "NONET_L-01_P-001" (solid, remove dead copper, pour order 55): 730,1635.17 860,1635.17 860,1575 730,1575
GND on L01_SIG "NONET_L-01_P-001" (solid, remove dead copper, pour order 54): 740,1520 845,1520 845,1465 740,1465
GND on L01_SIG "NONET_L-01_P-001" (solid, remove dead copper, pour order 53): 855,1035 855,975 735,975 735,1025 770,1025 770,1035 790,1035
GND on L01_SIG "NONET_L-01_P-001" (solid, remove dead copper, pour order 2): 51.3,170 51.3,100 115,100 115,170
GND on L01_SIG "NONET_L-01_P-001" (solid, remove dead copper, pour order 30): 755,915 855,915 855,865 755,865
GND on L01_SIG "NONET_L-01_P-001" (solid, remove dead copper, pour order 28): 750,1175 850,1175 850,1095 750,1095
GND on L01_SIG "NONET_L-01_P-001" (solid, remove dead copper, pour order 27): 735,1290 855,1290 855,1240 735,1240
GND on L01_SIG "NONET_L-01_P-001" (solid, remove dead copper, pour order 26): 750,1410 750,1360 855,1360 855,1410
GND on L01_SIG "NONET_L-01_P-001" (solid, remove dead copper, pour order 18): 824.74,1850 824.74,1730 740,1730 740,1690 855,1690 855,1850
GND on L01_SIG "NONET_L-01_P-001" (solid, remove dead copper, pour order 4): 812.62,140 811.91,139.29 811.91,90 775,90 775,140
GND on L09_GND "NONET_L-01_P-001" (solid, remove dead copper, pour order 81): 824.73,100 215.99,100 215.54,99.55 215.54,139.46 215,140 167.5,140 158.15,130.65 158.15,103.01 43.19,103.01 42.28,103.91 43.4,105.04 43.4,157.29 0.19,157.29 0,157.48 0,4330 866.1,4330 866.1,157.48 824.98,157.48 824.4,156.9 825.05,156.25 825.05,99.26
P3V3_MCU on L06_PWR "NONET_L-01_P-001" (solid, remove dead copper, pour order 77): 20,2510 20,1555 450,1555 450,1725 305,1725 305,2340 110,2340 110,2510 15,2510
DPLL_VDD on L06_PWR "NONET_L-01_P-001" (solid, remove dead copper, pour order 63): 150,2830 510,2830 510,2648.11 510,2275 825,2275 825,1750 380,1750 380,2550 150,2550
P0V95_I225 on L06_PWR "NONET_L-01_P-001" (solid, remove dead copper, pour order 65): 675,582.98 460,582.98 460,490 615,490 615,241.47 15,241.47 15,797.55 675,797.55
DW1000_P1V8 on L06_PWR "NONET_L-01_P-001" (solid, remove dead copper, pour order 57): 798.77,3323.42 798.77,3105 525,3105 525,3050 415,3050 415,2931.98 62.07,2931.98 62.07,3323.42
P3V3_USB on L06_PWR "NONET_L-01_P-001" (solid, remove dead copper, pour order 60): 680,2430 680,2365 760,2365 760,2310 630,2310 630,2375 605,2375 605,2415 605,2430
P5V_USB on L06_PWR "NONET_L-01_P-001" (solid, remove dead copper, pour order 58): 597.57,2895 530,2895 530,2655 595,2655 595,2545 630,2545 630,2695 567.93,2695 567.93,2860 597.57,2860
GND on L04_GND "NONET_L-01_P-001" (solid, remove dead copper, pour order 79): 824.73,100 215.99,100 215.54,99.55 215.54,139.46 215,140 167.5,140 158.15,130.65 158.15,103 43.19,103 42.28,103.91 43.4,105.04 43.4,157.29 0.19,157.29 0,157.48 0,4330 866.1,4330 866.1,157.48 824.98,157.48 824.4,156.9 825.05,156.25 825.05,99.26
GND on L07_GND "NONET_L-01_P-001" (solid, remove dead copper, pour order 80): 824.73,100 215.99,100 215.54,99.55 215.54,139.46 215,140 167.5,140 158.15,130.65 158.15,103.01 43.19,103.01 42.28,103.91 43.4,105.04 43.4,157.29 0.19,157.29 0,157.48 0,4330 866.1,4330 866.1,157.48 824.98,157.48 824.4,156.9 825.05,156.25 825.05,99.26
GND on L02_GND "NONET_L-01_P-001" (solid, remove dead copper, pour order 82): 824.73,100 215.99,100 215.54,99.55 215.54,139.46 215,140 167.5,140 158.15,130.65 158.15,103.01 43.19,103.01 42.28,103.91 43.4,105.04 43.4,157.29 0.19,157.29 0,157.48 0,4330 866.1,4330 866.1,157.48 824.98,157.48 824.4,156.9 825.05,156.25 825.05,99.26
P3V3 on L05_PWR "NONET_L-01_P-001" (solid, remove dead copper, pour order 34): 150,100 ccw(c141.56,91.56) 141.56,103.5 62.07,103.5 62.07,174.17 ccw(c48.01,160.11) 48.01,180 10,180 10,3435 845,3435 845,180 ccw(c845,143.79) 819.39,169.39 805,155 ccw(c829.14,130.86) 795,130.86 795,105 135,105

## Other copper
L01_SIG:
  region net GND: 296.05,4319.62 ccw(c432.47,4327.71) 568.89,4319.61 511.19,4319.62 cw(c433,4328.19) 354.82,4319.62
  region net GND: 329.8,3498.23 329.8,3458.86 54.09,3458.86 54.09,3498.23
  region net GND: 719.8,3498.86 719.8,3459.49 441.24,3459.49 441.24,3498.86
L05_PWR:
  pour cut-out: 22.5,2454.65 32.39,2444.76 36.05,2444.76 36.05,2403.42 32.97,2400.33 32.61,2400.69 15,2400.69 15,2447.15
  pour cut-out: 0,410 50,410 50,350 0,350 0,409.59
  pour cut-out: 180,3230 180,3015 385,3015 385,3230
  pour cut-out: 850,3100 590,3100 590,2700 850,2700
  pour cut-out: 180,2545 380,2545 380,2345 180,2345
  pour cut-out: 510,2065 725,2065 725,1855 510,1855
  pour cut-out: 145.08,1435 275.08,1435 275.08,1295 145.08,1295
  pour cut-out: 145,1095 275,1095 275,955 145,955
  pour cut-out: 344.14,588.35 344.14,358.35 121.05,358.35 121.05,588.35
L06_PWR:
  pour cut-out: 15,478.13 16.92,480.05 62.66,480.05 99.95,517.34 98.5,518.79 98.5,579.25 70.7,607.05 70.7,797.19 15.36,797.19 15,797.55
L10_SIG:
  region net GND: 296.05,4319.62 ccw(c432.47,4327.71) 568.89,4319.61 511.19,4319.62 cw(c433,4328.19) 354.82,4319.62
  pour cut-out: 105,166 105,115.64 61.44,115.64 61.44,165.24

## Silkscreen, mask and mechanical layers (free items; w line width, h text height)
Top Overlay:
  text "GND" at 37.93,2917.61 h10
  text "SWDIO" at 41.07,2867.84 h10
  text "SWCLK" at 43.36,2818.76 h10
Bottom Overlay:
  text "Time Drive v1.0 / Julian St. James / Mike Lambeta / Ahmad Byagowi / Hanna Davis" at 685,3820 h30
Top Solder:
  rectangle: 542.68,3108.18 552.06,3141.8
  rectangle: 717.76,2365.13 798.36,2420.32
  rectangle: 716.09,2589.51 797.31,2644.71
  rectangle: 422.69,2158.21 439.31,2191.93
  region: 729.57,1818.57 729.57,1841.98 511.36,1841.98 511.36,1818.57
  region: 730.23,2088.24 730.23,2111.65 512.02,2111.65 512.02,2088.24
  rectangle: 743.15,1857.28 766.56,2075.49
  rectangle: 473.48,1854.97 496.89,2073.19
  region: 296.04,4319.92 ccw(c432.47,4327.71) 568.91,4319.92 501.57,4319.92 cw(c433,4327.22) 364.42,4320.1
Bottom Solder:
  rectangle: 447.77,3057.17 453.65,3082.87
  rectangle: 495.42,2083.19 505.97,2116.8
  rectangle: 518.35,3253.85 528.35,3286.25
  region: 296.05,4319.62 ccw(c432.47,4327.71) 568.89,4319.61 501.53,4319.61 cw(c433,4327.22) 364.45,4319.81
Board Shape:
  lines w5: 0,4290.63 0,4330 ; 215.54,114.17 215.54,0 824.74,0 824.74,137.8 ; 215.58,114.17 ccw(c191.96,114.17) 168.34,114.17 168.34,0 42.28,0 42.28,137.8 ccw(c22.6,137.8) 22.6,157.48 0,157.48 0,4330 ; 314.76,4330 363.97,4330 ; 314.89,4330 0,4330 ; 364.11,4330 ccw(c433,4330.71) 501.89,4330 551.11,4330 866.1,4330 866.1,199.78 866.1,157.48 843.5,157.48 ; 824.73,138.26 cw(c843.96,138.26) 843.96,157.49

## Text inside footprints (layer, text, board x,y; h text height)
J1: Bottom Overlay "74" at 81.06,156.06 h19.68 r90; Bottom Overlay "68" at 151.06,156.06 h19.68 r90; Bottom Overlay "2" at 796.06,136.06 h19.68 r90; Bottom Overlay "58" at 251.06,156.06 h19.68 r90; Top Overlay "75" at 84.68,109.69 h19.68 r90; Top Overlay "67" at 154.21,108.94 h19.68 r90; Top Overlay "1" at 803.53,109.93 h19.68 r90; Top Overlay "57" at 251.19,103.27 h19.68 r90
J8: Top Overlay "PCB Edge" at 841.76,2845.76 h16 r90